# Altium PCB MU_MP_39_V1_ASMB.PcbDoc (part 1 of 15) (continued)
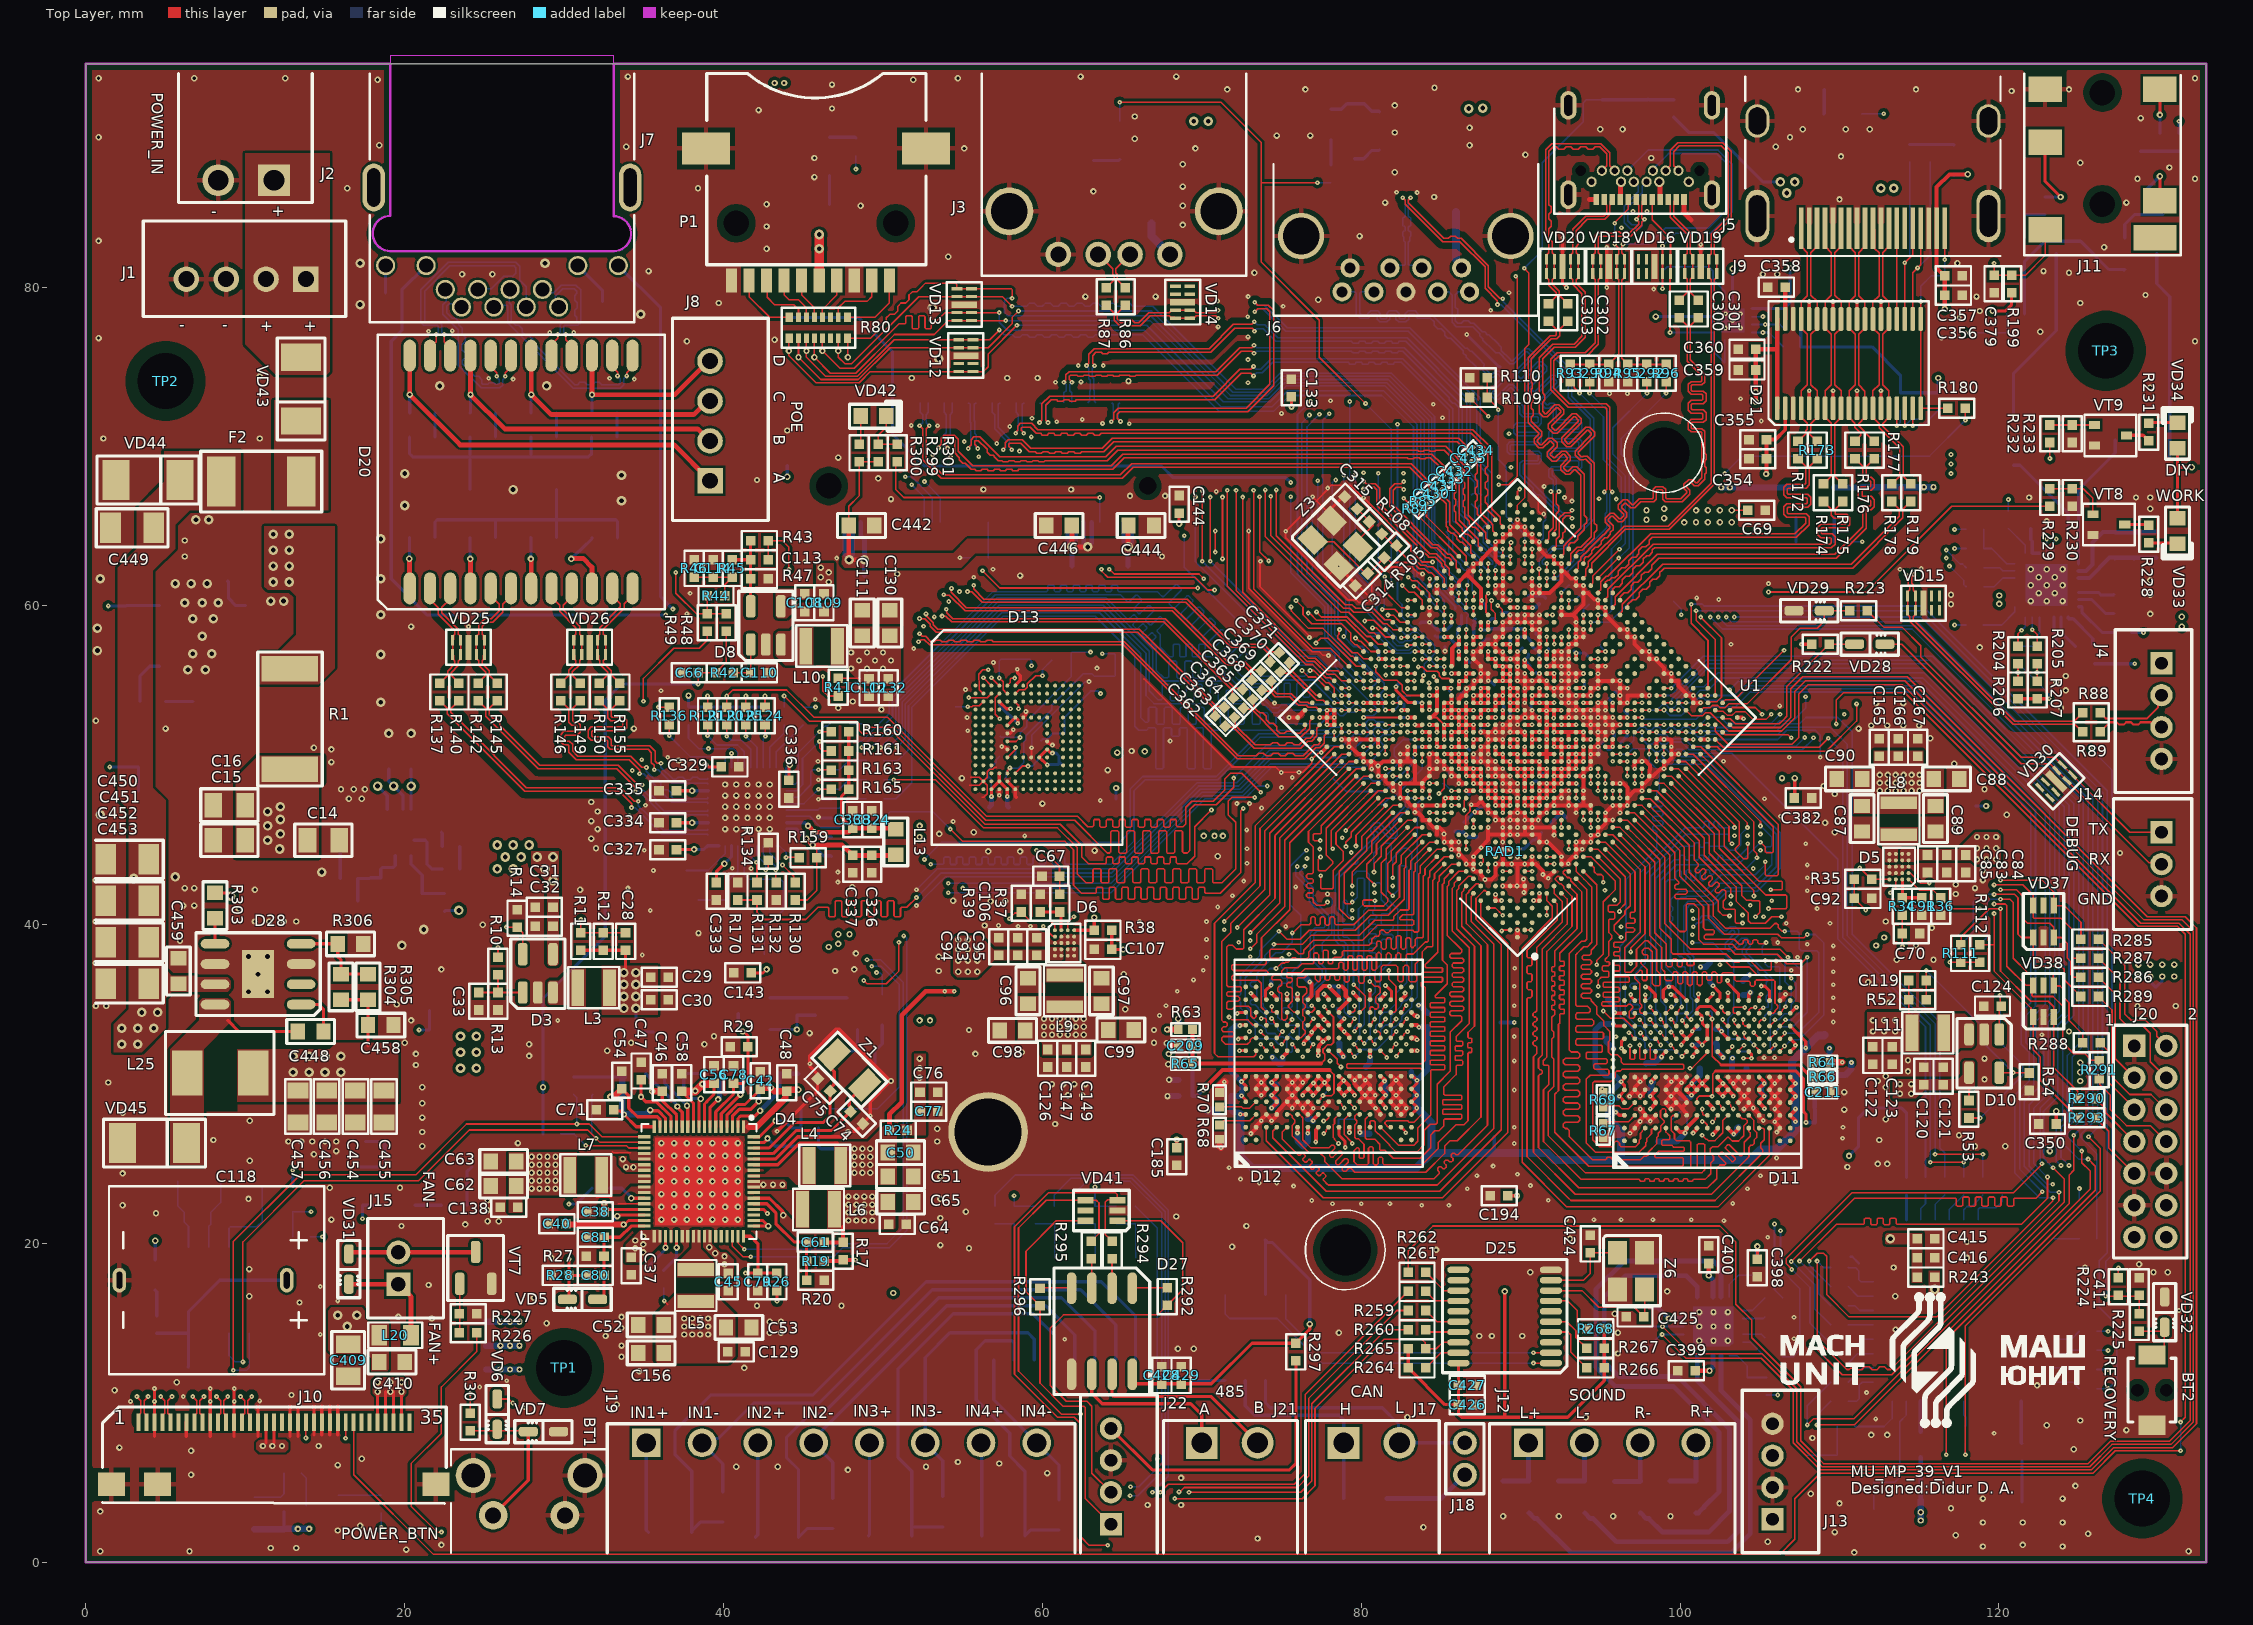
[diagram p0: Top Layer view]
## Design rules (kind name [scope] priority, off if disabled: settings) (continued)
MatchedLengths MatchedLengths_ADDR_PP1_3 [InxSignalClass('ADDR_PP1')] p45: tolerance=1.5 checknetsindiffpair=FALSE checkdiffpairvsdiffpair=TRUE checkxsignals=TRUE checkothers=TRUE
MatchedLengths MatchedLengths_DDR_CLOCKS_STROBES_2 [InxSignalClass('ADDR_PP1') OR InxSignalClass('ADDR_PP2') OR InxSignalClass('DATA_BL0') OR InxSignalClass('DATA_BL1') OR InxSignalClass('DATA_BL2') OR InxSignalClass('DATA_BL3')] p46: tolerance=0.25 checknetsindiffpair=TRUE checkdiffpairvsdiffpair=FALSE checkxsignals=FALSE checkothers=FALSE
MatchedLengths MatchedLengths_DATA_BL3_2 [InxSignalClass('DATA_BL3')] p47: tolerance=0.5 checknetsindiffpair=FALSE checkdiffpairvsdiffpair=TRUE checkxsignals=TRUE checkothers=TRUE
MatchedLengths MatchedLengths_DATA_BL2_2 [InxSignalClass('DATA_BL2')] p48: tolerance=0.5 checknetsindiffpair=FALSE checkdiffpairvsdiffpair=TRUE checkxsignals=TRUE checkothers=TRUE
MatchedLengths MatchedLengths_DATA_BL1_2 [InxSignalClass('DATA_BL1')] p49: tolerance=0.5 checknetsindiffpair=FALSE checkdiffpairvsdiffpair=TRUE checkxsignals=TRUE checkothers=TRUE
MatchedLengths MatchedLengths_DATA_BL0_2 [InxSignalClass('DATA_BL0')] p50: tolerance=0.5 checknetsindiffpair=FALSE checkdiffpairvsdiffpair=TRUE checkxsignals=TRUE checkothers=TRUE
MatchedLengths MatchedLengths_ADDR_PP2_2 [InxSignalClass('ADDR_PP2')] p51: tolerance=1.5 checknetsindiffpair=FALSE checkdiffpairvsdiffpair=TRUE checkxsignals=TRUE checkothers=TRUE
MatchedLengths MatchedLengths_ADDR_PP1_2 [InxSignalClass('ADDR_PP1')] p52: tolerance=1.5 checknetsindiffpair=FALSE checkdiffpairvsdiffpair=TRUE checkxsignals=TRUE checkothers=TRUE
MatchedLengths MatchedLengths_DDR_CLOCKS_STROBES_1 [InxSignalClass('ADDR_PP1_1') OR InxSignalClass('ADDR_PP2_1') OR InxSignalClass('DATA_BL0_1') OR InxSignalClass('DATA_BL1_1') OR InxSignalClass('DATA_BL2_1') OR InxSignalClass('DATA_BL3_1')] p53: tolerance=0 checknetsindiffpair=TRUE checkdiffpairvsdiffpair=FALSE checkxsignals=FALSE checkothers=FALSE
MatchedLengths MatchedLengths_DATA_BL3_1 [InxSignalClass('DATA_BL3_1')] p54: tolerance=0 checknetsindiffpair=FALSE checkdiffpairvsdiffpair=TRUE checkxsignals=TRUE checkothers=TRUE
MatchedLengths MatchedLengths_DATA_BL2_1 [InxSignalClass('DATA_BL2_1')] p55: tolerance=0 checknetsindiffpair=FALSE checkdiffpairvsdiffpair=TRUE checkxsignals=TRUE checkothers=TRUE
MatchedLengths MatchedLengths_DATA_BL1_1 [InxSignalClass('DATA_BL1_1')] p56: tolerance=0 checknetsindiffpair=FALSE checkdiffpairvsdiffpair=TRUE checkxsignals=TRUE checkothers=TRUE
MatchedLengths MatchedLengths_DATA_BL0_1 [InxSignalClass('DATA_BL0_1')] p57: tolerance=0 checknetsindiffpair=FALSE checkdiffpairvsdiffpair=TRUE checkxsignals=TRUE checkothers=TRUE
MatchedLengths MatchedLengths_ADDR_PP2_1 [InxSignalClass('ADDR_PP2_1')] p58: tolerance=0 checknetsindiffpair=FALSE checkdiffpairvsdiffpair=TRUE checkxsignals=TRUE checkothers=TRUE
MatchedLengths MatchedLengths_ADDR_PP1_1 [InxSignalClass('ADDR_PP1_1')] p59: tolerance=0 checknetsindiffpair=FALSE checkdiffpairvsdiffpair=TRUE checkxsignals=TRUE checkothers=TRUE
MatchedLengths MatchedLengths_DDR_CLOCKS_STROBES [InxSignalClass('ADDR_PP1') OR InxSignalClass('ADDR_PP2') OR InxSignalClass('DATA_BL0') OR InxSignalClass('DATA_BL1') OR InxSignalClass('DATA_BL2') OR InxSignalClass('DATA_BL3')] p60: tolerance=0 checknetsindiffpair=TRUE checkdiffpairvsdiffpair=FALSE checkxsignals=FALSE checkothers=FALSE
MatchedLengths MatchedLengths_DATA_BL3 [InxSignalClass('DATA_BL3')] p61: tolerance=0 checknetsindiffpair=FALSE checkdiffpairvsdiffpair=TRUE checkxsignals=TRUE checkothers=TRUE
MatchedLengths MatchedLengths_DATA_BL2 [InxSignalClass('DATA_BL2')] p62: tolerance=0 checknetsindiffpair=FALSE checkdiffpairvsdiffpair=TRUE checkxsignals=TRUE checkothers=TRUE
MatchedLengths MatchedLengths_DATA_BL1 [InxSignalClass('DATA_BL1')] p63: tolerance=0 checknetsindiffpair=FALSE checkdiffpairvsdiffpair=TRUE checkxsignals=TRUE checkothers=TRUE
MatchedLengths MatchedLengths_DATA_BL0 [InxSignalClass('DATA_BL0')] p64: tolerance=0 checknetsindiffpair=FALSE checkdiffpairvsdiffpair=TRUE checkxsignals=TRUE checkothers=TRUE
MatchedLengths MatchedLengths_ADDR_PP2 [InxSignalClass('ADDR_PP2')] p65: tolerance=0 checknetsindiffpair=FALSE checkdiffpairvsdiffpair=TRUE checkxsignals=TRUE checkothers=TRUE
MatchedLengths MatchedLengths_ADDR_PP1 [InxSignalClass('ADDR_PP1')] p66: tolerance=0 checknetsindiffpair=FALSE checkdiffpairvsdiffpair=TRUE checkxsignals=TRUE checkothers=TRUE
MinimumSolderMaskSliver [All] p1: minsoldermaskwidth=0.1
PlaneConnect [All] p1: planeconnectstyle=Direct reliefexpansion=0.508 reliefentries=4 reliefconductorwidth=0.254 reliefairgap=0.254
PolygonConnect PolygonConnect_Relief [InPadClass('Relief_Contact')] p1: connectstyle=Relief reliefconductorwidth=0.3 reliefentries=4 polygonreliefangle="90 Angle" airgapwidth=0.3
PolygonConnect PolygonConnect_VIA [isVia] p2: connectstyle=Direct reliefconductorwidth=0.254 reliefentries=4 polygonreliefangle="90 Angle" airgapwidth=0.254
PolygonConnect [All] p3: connectstyle=Direct reliefconductorwidth=0.15 reliefentries=4 polygonreliefangle="90 Angle" airgapwidth=0.15
RoutingTopology RoutingTopology_DDRAddressAndControls_1 [InNetClass('DDR_AddressAndControls_1')] p1: topology=Daisy_Simple
RoutingTopology RoutingTopology_DDRAddressAndControls [InNetClass('DDR_AddressAndControls')] p2: topology=Daisy_Simple
RoutingTopology [All] p3: topology=Shortest
RoutingVias [All] p1: holewidth=0.1 width=0.3 viastyle="Through Hole" minholewidth=0.1 minwidth=0.25 maxholewidth=1 maxwidth=1.6
SilkToSilkClearance [All] p1: silktosilkclearance=0.1
SilkToSolderMaskClearance SilkToSolderMaskClearance_0402 [InComponentClass('Solder_Clearence')] p1: minsilkscreentomaskgap=0 clearancetoexposedcopper=FALSE
SilkToSolderMaskClearance [IsPad] p2: minsilkscreentomaskgap=0.01 clearancetoexposedcopper=FALSE
SolderMaskExpansion [All] p1: expansion=0.05 istentingtop=FALSE
Width Width_DDR_1 [InNetClass('DDR_NETS')] p1: maxlimit=5 minlimit=0.1 preferedwidth=0.12 toplayer_maxwidth=0.1 toplayer_prefwidth=0.1 midlayer1_minwidth=0.13 midlayer1_maxwidth=0.13 midlayer1_prefwidth=0.13 midlayer2_minwidth=0.13 midlayer2_maxwidth=0.13 midlayer2_prefwidth=0.13 bottomlayer_maxwidth=0.1 bottomlayer_prefwidth=0.1 minimp=50.000000 maximp=50.000000 favimp=50.000000
Width [All] p2: maxlimit=5 minlimit=0.075 preferedwidth=0.075
21 further rules are at their usual default settings.

## Classes and differential pairs
component class Solder_Clearence: C125 C127 C128 C131 C148 C157 C158 C169 C178 C179 C187 C188 C195 C198 C201 C202 C203 C204 C205 C206 C207 C208 C209 C210 C211 C212 C213 C214 C215 C216 C217 C218 C219 C220 C221 C222 C223 C224 C225 C226 C227 C228 C229 C230 C231 C232 C233 C234 C235 C236 C237 C238 C239 C240 C241 C242 C243 C244 C245 C246 C247 C248 C249 C250 C251 C252 C253 C254 C255 C256 C257 C316 C352 C362 C363 C364 C365 C368 C369 C370 C371 C440 L21 L22 R57 R58 R59 R60 R61 R62 R63 R64 R65 R66 R67 R68 R69 R70 R71 R72 R73 R74 R75 R97 R98 R99 R100 R171
pad class Relief_Contact: BT1-2 BT1-3 BT1-4 C118-2 J1-3 J1-4 J2-2 J3-4 J3-S1 J3-S2 J4-4 J5-B1 J5-B12 J5-E1 J5-E2 J5-E3 J5-E4 J6-2 J6-4 J6-10 J6-11 J7- J9-20 J9-21 J9-22 J9-23 J10-41 J10-42 J10-43 J11-5 J13-2 J14-3 J20-1 J20-10 J20-11 J22-3 P1-11 P1-12
differential pair class DiffPair_90_Ohms: EDP_AUX EDP_TX0 EDP_TX1 EDP_TX2 EDP_TX3 EDPTX0 EDPTX1 EDPTX2 EDPTX3 HOST0_D HOST1_D HOST_D1 TYPEC0_D TYPEC0_RX1 TYPEC0_RX2 TYPEC0_TX1 TYPEC0_TX2 TYPEC0TX1 TYPEC0TX2 TYPEC1_D TYPEC1_RX1 TYPEC1_TX1
net class DiffPair_90_Ohms: EDP_AUX_N EDP_AUX_P EDP_TX0_N EDP_TX0_P EDP_TX1_N EDP_TX1_P EDP_TX2_N EDP_TX2_P EDP_TX3_N EDP_TX3_P EDPTX0_N EDPTX0_P EDPTX1_N EDPTX1_P EDPTX2_N EDPTX2_P EDPTX3_N EDPTX3_P HOST0_D_N HOST0_D_P HOST1_D_N HOST1_D_P HOST_D1_N HOST_D1_P TYPEC0_D_N TYPEC0_D_P TYPEC0_RX1_N TYPEC0_RX1_P TYPEC0_RX2_N TYPEC0_RX2_P TYPEC0_TX1_N TYPEC0_TX1_P TYPEC0_TX2_N TYPEC0_TX2_P TYPEC0TX1_N TYPEC0TX1_P TYPEC0TX2_N TYPEC0TX2_P TYPEC1_D_N TYPEC1_D_P TYPEC1_RX1_N TYPEC1_RX1_P TYPEC1_TX1_N TYPEC1_TX1_P
component class "22 PCIE": C430 C431 C432 C433 C434 C435 C436 C437 C438 C439 C440 C441 C442 C443 C444 C445 C446 C447 J23 R298 R299 R300 R301 VD42
component class "02 INPUT_PWR_2": C448 C449 C450 C451 C452 C453 C454 C455 C456 C457 C458 C459 C460 C461 C462 C463 C464 C465 C466 C467 C468 D28 D29 F2 L25 L26 R302 R303 R304 R305 R306 R307 R308 R309 R310 VD43 VD44 VD45
differential pair class DiffPair_1: DA DB DC DD DDR0_CLK0 DDR0_DQS0 DDR0_DQS1 DDR0_DQS2 DDR0_DQS3 DDR1_CLK0 DDR1_DQS0 DDR1_DQS1 DDR1_DQS2 DDR1_DQS3 HDMI_TX0 HDMI_TX1 HDMI_TX2 HDMI_TXC HDMITX0 HDMITX1 HDMITX2 HDMITXC PCIE_REF_CLK PCIE_RX0 PCIE_RX1 PCIE_RX2 PCIE_RX3 PCIE_TX0 PCIE_TX1 PCIE_TX2 PCIE_TX3 PE_CLK PE_T0 PE_T1 PE_T2 PE_T3 TD0 TD1 TD2 TD3 TD_1 TD_2 TD_3 TD_4
net class DiffPair_1: DA_N DA_P DB_N DB_P DC_N DC_P DD_N DD_P DDR0_CLK0_N DDR0_CLK0_P DDR0_DQS0_N DDR0_DQS0_P DDR0_DQS1_N DDR0_DQS1_P DDR0_DQS2_N DDR0_DQS2_P DDR0_DQS3_N DDR0_DQS3_P DDR1_CLK0_N DDR1_CLK0_P DDR1_DQS0_N DDR1_DQS0_P DDR1_DQS1_N DDR1_DQS1_P DDR1_DQS2_N DDR1_DQS2_P DDR1_DQS3_N DDR1_DQS3_P HDMI_TX0_N HDMI_TX0_P HDMI_TX1_N HDMI_TX1_P HDMI_TX2_N HDMI_TX2_P HDMI_TXC_N HDMI_TXC_P HDMITX0_N HDMITX0_P HDMITX1_N HDMITX1_P HDMITX2_N HDMITX2_P HDMITXC_N HDMITXC_P PCIE_REF_CLK_N PCIE_REF_CLK_P PCIE_RX0_N PCIE_RX0_P PCIE_RX1_N PCIE_RX1_P PCIE_RX2_N PCIE_RX2_P PCIE_RX3_N PCIE_RX3_P PCIE_TX0_N PCIE_TX0_P PCIE_TX1_N PCIE_TX1_P PCIE_TX2_N PCIE_TX2_P PCIE_TX3_N PCIE_TX3_P PE_CLK_N PE_CLK_P PE_T0_N PE_T0_P PE_T1_N PE_T1_P PE_T2_N PE_T2_P PE_T3_N PE_T3_P TD0_N TD0_P TD1_N TD1_P TD2_N TD2_P TD3_N TD3_P TD_1_N TD_1_P TD_2_N TD_2_P TD_3_N TD_3_P TD_4_N TD_4_P
component class "21 CAN": C422 C423 C424 C425 C426 C427 C428 C429 D25 D26 D27 J17 J18 J19 J20 J21 J22 R258 R259 R260 R261 R262 R263 R264 R265 R266 R267 R268 R269 R270 R271 R272 R273 R274 R275 R276 R277 R278 R279 R280 R281 R282 R283 R284 R285 R286 R287 R288 R289 R290 R291 R292 R293 R294 R295 R296 R297 U2 VD35 VD36 VD37 VD38 VD39 VD40 VD41 Z6
component class "20 WiFi_BT": C412 C413 C414 C415 C416 C417 C418 C419 C420 C421 D24 J16 L21 L22 L23 L24 R234 R235 R236 R237 R238 R239 R240 R241 R242 R243 R244 R245 R246 R247 R248 R249 R250 R251 R252 R253 R254 R255 R256 R257 Z5
component class "19 RADIATOR": BT2 C409 C410 C411 J14 J15 L20 R222 R223 R224 R225 R226 R227 R228 R229 R230 R231 R232 R233 RAD1 VD28 VD29 VD30 VD31 VD32 VD33 VD34 VT7 VT8 VT9
component class "18 I2S": C376 C377 C378 C379 C380 C381 C382 C383 C384 C385 C386 C387 C388 C389 C390 C391 C392 C393 C394 C395 C396 C397 C398 C399 C400 C401 C402 C403 C404 C405 C406 C407 C408 D22 D23 J11 J12 J13 L14 L15 L16 L17 L18 L19 R195 R196 R197 R198 R199 R200 R201 R202 R203 R204 R205 R206 R207 R208 R209 R210 R211 R212 R213 R214 R215 R216 R217 R218 R219 R220 R221 VT5 VT6
component class "17 EDP": C361 C362 C363 C364 C365 C366 C367 C368 C369 C370 C371 C372 C373 C374 C375 J10 R187 R188 R189 R190 R191 R192 R193 R194 TP9 TP10 VT3 VT4
component class "16 HDMI": C350 C351 C352 C353 C354 C355 C356 C357 C358 C359 C360 D21 J9 R171 R172 R173 R174 R175 R176 R177 R178 R179 R180 R181 R182 R183 R184 R185 R186 VD27
component class "15 ETHERNET": C324 C325 C326 C327 C328 C329 C330 C331 C332 C333 C334 C335 C336 C337 C338 C339 C340 C341 C342 C343 C344 C345 C346 C347 C348 C349 D19 D20 J7 J8 L12 L13 R119 R120 R121 R122 R123 R124 R125 R126 R127 R128 R129 R130 R131 R132 R133 R134 R135 R136 R137 R138 R139 R140 R141 R142 R143 R144 R145 R146 R147 R148 R149 R150 R151 R152 R153 R154 R155 R156 R157 R158 R159 R160 R161 R162 R163 R164 R165 R166 R167 R168 R169 R170 VD25 VD26 Z4
component class "14 CPU_2": C319 C320 C321 C322 C323 R115 R116 R117 R118
component class "13 CPU_1": C309 C310 C311 C312 C313 C314 C315 C316 C317 C318 R104 R105 R106 R107 R108 R109 R110 R111 R112 R113 R114 Z3
component class "12 USB_3": C280 C281 C282 C283 C284 C285 C286 C287 C288 C289 C290 C291 C292 C293 C294 C295 C296 C297 C298 C299 C300 C301 C302 C303 C304 C305 C306 C307 C308 D16 D17 D18 J5 J6 R90 R91 R92 R93 R94 R95 R96 R97 R98 R99 R100 R101 R102 R103 VD16 VD17 VD18 VD19 VD20 VD21 VD22 VD23 VD24
component class "11 USB_2": C273 C274 C275 C276 C277 C278 C279 D15 J3 J4 R83 R84 R85 R86 R87 R88 R89 VD14 VD15
component class "10 SDMMC": C265 C266 C267 C268 C269 C270 C271 C272 D14 P1 R80 R81 R82 VD12 VD13
component class "09 EMMC": C258 C259 C260 C261 C262 C263 C264 D13 R75 R76 R77 R78 R79 TP5 TP6 TP7 TP8
component class "08 RAM": C256 C257 D11 D12 R67 R68 R69 R70 R71 R72 R73 R74
component class "07 RAM_PWR": C201 C202 C203 C204 C205 C206 C207 C208 C209 C210 C211 C212 C213 C214 C215 C216 C217 C218 C219 C220 C221 C222 C223 C224 C225 C226 C227 C228 C229 C230 C231 C232 C233 C234 C235 C236 C237 C238 C239 C240 C241 C242 C243 C244 C245 C246 C247 C248 C249 C250 C251 C252 C253 C254 C255 R59 R60 R61 R62 R63 R64 R65 R66
component class "06 CPU_RAM": C177 C178 C179 C180 C181 C182 C183 C184 C185 C186 C187 C188 C189 C190 C191 C192 C193 C194 C195 C196 C197 C198 C199 C200 R55 R56 R57 R58
component class "05 CPU_PWR": C125 C126 C127 C128 C129 C130 C131 C132 C133 C134 C135 C136 C137 C138 C139 C140 C141 C142 C143 C144 C145 C146 C147 C148 C149 C150 C151 C152 C153 C154 C155 C156 C157 C158 C159 C160 C161 C162 C163 C164 C165 C166 C167 C168 C169 C170 C171 C172 C173 C174 C175 C176 U1
component class "04 POWER": C82 C83 C84 C85 C86 C87 C88 C89 C90 C91 C92 C93 C94 C95 C96 C97 C98 C99 C100 C101 C102 C103 C104 C105 C106 C107 C108 C109 C110 C111 C112 C113 C114 C115 C116 C117 C118 C119 C120 C121 C122 C123 C124 D5 D6 D7 D8 D9 D10 L8 L9 L10 L11 R31 R32 R33 R34 R35 R36 R37 R38 R39 R40 R41 R42 R43 R44 R45 R46 R47 R48 R49 R50 R51 R52 R53 R54 VD8 VD9 VD10 VD11 VT1 VT2 Z2
component class "03 RK808": BT1 C37 C38 C39 C40 C41 C42 C43 C44 C45 C46 C47 C48 C49 C50 C51 C52 C53 C54 C55 C56 C57 C58 C59 C60 C61 C62 C63 C64 C65 C66 C67 C68 C69 C70 C71 C72 C73 C74 C75 C76 C77 C78 C79 C80 C81 D4 L4 L5 L6 L7 R15 R16 R17 R18 R19 R20 R21 R22 R23 R24 R25 R26 R27 R28 R29 R30 VD4 VD5 VD6 VD7 Z1
component class "23 Unused": C34 C35 C36
component class "01 INPUT_PWR": C1 C2 C3 C4 C5 C6 C7 C8 C9 C10 C11 C12 C13 C14 C15 C16 C17 C18 C19 C20 C21 C22 C23 C24 C25 C26 C27 C28 C29 C30 C31 C32 C33 D1 D2 D3 F1 J1 J2 L1 L2 L3 R1 R2 R3 R4 R5 R6 R7 R8 R9 R10 R11 R12 R13 R14 TP1 TP2 TP3 TP4 VD1 VD2 VD3
differential pair TD2: +TD2_P -TD2_N
differential pair TD_4: +TD_4_P -TD_4_N
differential pair TD_3: +TD_3_P -TD_3_N
differential pair TD_2: +TD_2_P -TD_2_N
differential pair TD_1: +TD_1_P -TD_1_N
differential pair PE_T1: +PE_T1_P -PE_T1_N
differential pair PE_T3: +PE_T3_P -PE_T3_N
differential pair PE_T2: +PE_T2_P -PE_T2_N
differential pair PE_T0: +PE_T0_P -PE_T0_N
differential pair PE_CLK: +PE_CLK_P -PE_CLK_N
differential pair TD3: +TD3_P -TD3_N
differential pair TD1: +TD1_P -TD1_N
differential pair TD0: +TD0_P -TD0_N
differential pair PCIE_TX3: +PCIE_TX3_P -PCIE_TX3_N
differential pair PCIE_TX2: +PCIE_TX2_P -PCIE_TX2_N
differential pair PCIE_TX1: +PCIE_TX1_P -PCIE_TX1_N
differential pair PCIE_TX0: +PCIE_TX0_P -PCIE_TX0_N
differential pair PCIE_RX3: +PCIE_RX3_P -PCIE_RX3_N
differential pair PCIE_RX2: +PCIE_RX2_P -PCIE_RX2_N
differential pair PCIE_RX1: +PCIE_RX1_P -PCIE_RX1_N
differential pair PCIE_RX0: +PCIE_RX0_P -PCIE_RX0_N
differential pair PCIE_REF_CLK: +PCIE_REF_CLK_P -PCIE_REF_CLK_N
differential pair DD: +DD_P -DD_N
differential pair DC: +DC_P -DC_N
differential pair DB: +DB_P -DB_N
differential pair DA: +DA_P -DA_N
differential pair HOST_D1: +HOST_D1_P -HOST_D1_N
differential pair HOST_D0: +HOST_D0_P -HOST_D0_N
differential pair TYPEC0TX2: +TYPEC0TX2_P -TYPEC0TX2_N
differential pair TYPEC0TX1: +TYPEC0TX1_P -TYPEC0TX1_N
differential pair TYPEC1_TX1: +TYPEC1_TX1_P -TYPEC1_TX1_N
differential pair TYPEC1_RX1: +TYPEC1_RX1_P -TYPEC1_RX1_N
differential pair TYPEC1_D: +TYPEC1_D_P -TYPEC1_D_N
differential pair TYPEC0_TX2: +TYPEC0_TX2_P -TYPEC0_TX2_N
differential pair TYPEC0_TX1: +TYPEC0_TX1_P -TYPEC0_TX1_N
differential pair TYPEC0_RX2: +TYPEC0_RX2_P -TYPEC0_RX2_N
differential pair TYPEC0_RX1: +TYPEC0_RX1_P -TYPEC0_RX1_N
differential pair TYPEC0_D: +TYPEC0_D_P -TYPEC0_D_N
differential pair HOST0_D: +HOST0_D_P -HOST0_D_N
differential pair HOST1_D: +HOST1_D_P -HOST1_D_N
differential pair EDPTX3: +EDPTX3_P -EDPTX3_N
differential pair EDPTX2: +EDPTX2_P -EDPTX2_N
differential pair EDPTX1: +EDPTX1_P -EDPTX1_N
differential pair EDPTX0: +EDPTX0_P -EDPTX0_N
differential pair EDP_TX3: +EDP_TX3_P -EDP_TX3_N
differential pair EDP_TX2: +EDP_TX2_P -EDP_TX2_N
differential pair EDP_TX1: +EDP_TX1_P -EDP_TX1_N
differential pair EDP_TX0: +EDP_TX0_P -EDP_TX0_N
differential pair EDP_AUX: +EDP_AUX_P -EDP_AUX_N
differential pair HDMITXC: +HDMITXC_P -HDMITXC_N
differential pair HDMITX2: +HDMITX2_P -HDMITX2_N
differential pair HDMITX1: +HDMITX1_P -HDMITX1_N
differential pair HDMITX0: +HDMITX0_P -HDMITX0_N
differential pair HDMI_TXC: +HDMI_TXC_P -HDMI_TXC_N
differential pair HDMI_TX2: +HDMI_TX2_P -HDMI_TX2_N
differential pair HDMI_TX1: +HDMI_TX1_P -HDMI_TX1_N
differential pair HDMI_TX0: +HDMI_TX0_P -HDMI_TX0_N
differential pair DDR1_DQS3: +DDR1_DQS3_P -DDR1_DQS3_N
differential pair DDR1_DQS2: +DDR1_DQS2_P -DDR1_DQS2_N
differential pair DDR1_DQS1: +DDR1_DQS1_P -DDR1_DQS1_N
differential pair DDR1_DQS0: +DDR1_DQS0_P -DDR1_DQS0_N
differential pair DDR0_DQS3: +DDR0_DQS3_P -DDR0_DQS3_N
differential pair DDR0_DQS2: +DDR0_DQS2_P -DDR0_DQS2_N
differential pair DDR0_DQS1: +DDR0_DQS1_P -DDR0_DQS1_N
differential pair DDR0_DQS0: +DDR0_DQS0_P -DDR0_DQS0_N
differential pair DDR1_CLK0: +DDR1_CLK0_P -DDR1_CLK0_N
differential pair DDR0_CLK0: +DDR0_CLK0_P -DDR0_CLK0_N

## Components (designator, comment, footprint, x,y, rotation, side; value= is the part's Value field where it differs from the comment)
BT1 "L-KLS7-TS6606-5.0-180" L-KLS7-TS6606-5.0-180 27.8,4.2 r0 top
BT2 "IT-1185AP" IT-1185AP 129.6,10.8 r90 top
C1 "0.1uF" CAP_SMD_0603 4.2,54 r180 bottom
C2 "10uF" CAP_SMD_1206 15.5,64.25 r180 bottom
C3 "10uF" CAP_SMD_1206 9,63.55 r0 bottom
C4 "10uF" CAP_SMD_1206 15.5,61.85 r180 bottom
C5 "10uF" CAP_SMD_1206 15.5,59.45 r180 bottom
C6 "1uF" CAP_SMD_1206 15.5,57.05 r180 bottom
C7 "22uF" CAP_SMD_0805#1 13.3,49.85 r180 bottom
C8 "22uF" CAP_SMD_0805#1 10.1,44.2 r90 bottom
C9 "10uF" CAP_SMD_0805#1 6.9,44.2 r90 bottom
C10 "1uF" CAP_SMD_0805#1 8.5,44.2 r90 bottom
C11 "0.1uF" CAP_SMD_0603 4.1,46.9 r0 bottom
C12 "0.1uF" CAP_SMD_0603 12,58.25 r270 bottom
C13 "0.22uF" CAP_SMD_0402 22.9,44.9 r0 bottom
C14 "22uF" CAP_SMD_0805#2 14.9,45.3 r180 top
C15 "22uF" CAP_SMD_0805#2 9,45.3 r0 top
C16 "10uF" CAP_SMD_0805#2 9,47.5 r0 top
C17 "1uF" CAP_SMD_0805#2 14.9,46.3 r270 bottom
C18 "0.1uF" CAP_SMD_0603 17,46.1 r270 bottom
C19 "0.1uF" CAP_SMD_0402 19,50.3 r90 bottom
C20 "22uF" CAP_SMD_0603 30,49.1 r180 bottom
C21 "22uF" CAP_SMD_0603 30,47.3 r180 bottom
C22 "22uF" CAP_SMD_0603 30,45.5 r180 bottom
C23 "22uF" CAP_SMD_0603 27.8,41.7 r90 bottom
C24 "0.1uF" CAP_SMD_0402 26.1,41.8 r270 bottom
C25 "0.1uF" CAP_SMD_0402 16.5,41.5 r180 bottom
C26 "1uF" CAP_SMD_0402 21.1,41.4 r270 bottom
C27 "1uF" CAP_SMD_0402 20.4,50.3 r90 bottom
C28 "100pF" CAP_SMD_0402 33.85,38.95 r90 top
C29 "10uF" CAP_SMD_0402 35.975,36.7 r0 top
C30 "0.1uF" CAP_SMD_0402 35.975,35.3 r0 top
C31 "10uF" CAP_SMD_0402 28.75,41.1 r180 top
C32 "0.1uF" CAP_SMD_0402 28.75,39.9 r180 top
C33 "0.1uF" CAP_SMD_0402 24.65,35.2 r270 top
C34 "0.1uF" CAP_SMD_0201 95.725,54.425 r45 bottom
C35 "0.1uF" CAP_SMD_0201 94.255,54.045 r45 bottom
C36 "0.1uF" CAP_SMD_0201 94.169,55.419 r45 bottom
C37 "1uF" CAP_SMD_0402 34.2,18.6 r270 top
C38 "2.2uF" CAP_SMD_0402 31.957,21.995 r180 top
C39 "1uF" CAP_SMD_0402 31.475,21.275 r180 bottom
C40 "2.2uF" CAP_SMD_0402 29.55,21.25 r180 top
C41 "4.7uF" CAP_SMD_0402 42.3,31.2 r90 bottom
C42 "1uF" CAP_SMD_0402 42.307,30.22 r90 top
C43 "2.2uF" CAP_SMD_0402 41.1,31.2 r90 bottom
C44 "2.2uF" CAP_SMD_0402 35.1,31.225 r90 bottom
C45 "10uF" CAP_SMD_0402 40.3,17.6 r90 top
C46 "1uF" CAP_SMD_0402 36.157,30.095 r90 top
C47 "2.2uF" CAP_SMD_0402 34.825,30.825 r90 top
C48 "1uF" CAP_SMD_0402 43.957,30.095 r90 top
C49 "4.7uF" CAP_SMD_0402 43.475,31.2 r90 bottom
C50 "22uF" CAP_SMD_0603 51.1,25.7 r180 top
C51 "22uF" CAP_SMD_0603 51.1,24.2 r180 top
C52 "22uF" CAP_SMD_0603 35.457,14.895 r0 top
C53 "22uF" CAP_SMD_0603 40.957,14.745 r180 top
C54 "1uF" CAP_SMD_0402 33.625,30.25 r90 top
C55 "2.2uF" CAP_SMD_0402 33.65,31.1 r90 bottom
C56 "1uF" CAP_SMD_0402 39.4,30.6 r90 top
C57 "4.7uF" CAP_SMD_0402 39.9,31.2 r90 bottom
C58 "1uF" CAP_SMD_0402 37.375,30.1 r90 top
C59 "2.2uF" CAP_SMD_0402 36.3,31.225 r90 bottom
C60 "10uF" CAP_SMD_0402 32.3,25.05 r180 bottom
C61 "47pF" CAP_SMD_0402 45.757,20.095 r180 top
C62 "22uF" CAP_SMD_0603 26.205,23.599 r0 top
C63 "22uF" CAP_SMD_0603 26.205,25.157 r0 top
C64 "10uF" CAP_SMD_0402 50.9,21.2 r0 top
C65 "22uF" CAP_SMD_0603 51.107,22.595 r180 top
C66 "0.1uF" CAP_SMD_0402 37.85,55.8 r180 top
C67 "0.1uF" CAP_SMD_0402 60.525,43.05 r180 top
C68 "0.1uF" CAP_SMD_0402 129.85,35.525 r270 bottom
C69 "0.1uF" CAP_SMD_0402 104.8,66 r0 top
C70 "0.1uF" CAP_SMD_0402 114.5,39.45 r0 top
C71 "0.1uF" CAP_SMD_0402 32.557,28.395 r0 top
C72 "0.1uF" CAP_SMD_0402 35.05,17.775 r270 bottom
C73 "1uF" CAP_SMD_0402 38.7,31.225 r270 bottom
C74 "12pF" CAP_SMD_0402 48.357,27.895 r135 top
C75 "12pF" CAP_SMD_0402 46.298,29.954 r315 top
C76 "10uF" CAP_SMD_0402 52.875,29.5 r0 top
C77 "0.1uF" CAP_SMD_0402 52.875,28.3 r0 top
C78 "0.1uF" CAP_SMD_0402 40.625,30.6 r270 top
C79 "0.1uF" CAP_SMD_0402 42.15,17.6 r90 top
C80 "4.7uF" CAP_SMD_0402 31.95,18 r180 top
C81 "0.022uF" CAP_SMD_0402 31.957,20.395 r180 top
C82 "0.1uF" CAP_SMD_0402 44.6,34.875 r90 bottom
C83 "10uF" CAP_SMD_0402 116.725,43.825 r270 top
C84 "10uF" CAP_SMD_0402 117.925,43.825 r270 top
C85 "0.1uF" CAP_SMD_0402 115.525,43.825 r270 top
C86 "2.2uF" CAP_SMD_0402 48.95,30.875 r0 bottom
C87 "22uF" CAP_SMD_0603 111.425,46.65 r90 top
C88 "22uF" CAP_SMD_0603 116.725,49.15 r180 top
C89 "22uF" CAP_SMD_0603 116.025,46.65 r90 top
C90 "22uF" CAP_SMD_0603 110.625,49.15 r0 top
C91 "0.1uF" CAP_SMD_0402 115.15,41.15 r270 top
C92 "0.1uF" CAP_SMD_0402 111.475,41.65 r0 top
C93 "10uF" CAP_SMD_0402 57.275,38.625 r90 top
C94 "10uF" CAP_SMD_0402 58.45,38.625 r90 top
C95 "0.1uF" CAP_SMD_0402 59.65,38.625 r90 top
C96 "22uF" CAP_SMD_0603 59.1,35.85 r270 top
C97 "22uF" CAP_SMD_0603 63.7,35.85 r270 top
C98 "22uF" CAP_SMD_0603 58.125,33.375 r0 top
C99 "22uF" CAP_SMD_0603 64.925,33.4 r180 top
C100 "10uF" CAP_SMD_0402 112.65,66.9 r270 bottom
C101 "0.1uF" CAP_SMD_0402 111.45,66.9 r270 bottom
C102 "0.1uF" CAP_SMD_0402 106.725,64.025 r180 bottom
C103 "10uF" CAP_SMD_0402 104.325,66.875 r270 bottom
C104 "0.1uF" CAP_SMD_0402 105.55,66.875 r270 bottom
C105 "0.1uF" CAP_SMD_0201 91.375,60.29 r45 bottom
C106 "0.1uF" CAP_SMD_0402 59.875,41.35 r90 top
C107 "0.1uF" CAP_SMD_0402 63.8,38.45 r180 top
C108 "10uF" CAP_SMD_0402 45.1,60.2 r270 top
C109 "0.1uF" CAP_SMD_0402 46.3,60.2 r270 top
C110 "0.1uF" CAP_SMD_0402 42.25,55.8 r0 top
C111 "22uF" CAP_SMD_0603 48.7,58.925 r270 top
C112 "0.1uF" CAP_SMD_0402 49.125,54.875 r270 top
C113 "47pF" CAP_SMD_0402 42.25,62.9 r180 top
C114 "0.022uF" CAP_SMD_0402 39.35,62.35 r90 top
C115 "12pF" CAP_SMD_0402 5.625,21.95 r180 bottom
C116 "12pF" CAP_SMD_0402 8.375,21.95 r0 bottom
C117 "0.1uF" CAP_SMD_0402 5.875,12.25 r180 bottom
C118 "0.33F" DCS5R5_H 7.35,17.7 r270 top
C119 "100pF" CAP_SMD_0402 114.9,36.5 r0 top
C120 "10uF" CAP_SMD_0402 115.3,30.5 r90 top
C121 "0.1uF" CAP_SMD_0402 116.5,30.5 r90 top
C122 "10uF" CAP_SMD_0402 112.1,31.8 r270 top
C123 "0.1uF" CAP_SMD_0402 113.3,31.8 r270 top
C124 "0.1uF" CAP_SMD_0402 119.6,34.9 r180 top
C125 "10uF" CAP_SMD_0402_SMALL 86.1,56.15 r135 bottom
C126 "10uF" CAP_SMD_0402 60.325,31.625 r270 top
C127 "10uF" CAP_SMD_0402_SMALL 89.063,56.302 r45 bottom
C128 "10uF" CAP_SMD_0402_SMALL 91.482,52.613 r135 bottom
C129 "10uF" CAP_SMD_0402 40.8,13.2 r0 top
C130 "22uF" CAP_SMD_0603 50.425,58.925 r270 top
C131 "10uF" CAP_SMD_0402_SMALL 88.377,56.937 r45 bottom
C132 "1uF" CAP_SMD_0402 50.325,54.875 r270 top
C133 "0.1uF" CAP_SMD_0402 75.625,73.675 r90 top
C134 "0.1uF" CAP_SMD_0201 89.625,55.825 r45 bottom
C135 "0.1uF" CAP_SMD_0201 90.05,54.375 r315 bottom
C136 "0.1uF" CAP_SMD_0201 90.075,53.45 r315 bottom
C137 "1000pF" CAP_SMD_0201 88.9,54.7 r225 bottom
C138 "1uF" CAP_SMD_0402 26.532,22.27 r180 top
C139 "0.1uF" CAP_SMD_0201 85.824,55.304 r135 bottom
C140 "0.1uF" CAP_SMD_0201 87.725,55.175 r45 bottom
C141 "0.1uF" CAP_SMD_0201 87.934,53.891 r315 bottom
C142 "0.1uF" CAP_SMD_0201 88.175,54.825 r45 bottom
C143 "0.1uF" CAP_SMD_0402 41.2,36.975 r180 top
C144 "0.1uF" CAP_SMD_0402 68.575,66.375 r90 top
C145 "1000pF" CAP_SMD_0201 87.108,54.727 r135 bottom
C146 "22uF" CAP_SMD_0603 85.1,53.8 r315 bottom
C147 "1uF" CAP_SMD_0402 61.525,31.625 r270 top
C148 "1uF" CAP_SMD_0402_SMALL 84.075,52.4 r225 bottom
C149 "0.1uF" CAP_SMD_0402 62.725,31.625 r270 top
C150 "0.1uF" CAP_SMD_0402 64.625,47.35 r270 bottom
C151 "0.1uF" CAP_SMD_0201 84.55,51.85 r225 bottom
C152 "0.1uF" CAP_SMD_0201 87.3,52.525 r315 bottom
C153 "0.1uF" CAP_SMD_0201 85.475,51.85 r225 bottom
C154 "0.1uF" CAP_SMD_0201 86.3,54.125 r135 bottom
C155 "1000pF" CAP_SMD_0201 86.375,51.8 r225 bottom
C156 "22uF" CAP_SMD_0603 35.457,13.145 r0 top
C157 "10uF" CAP_SMD_0402_SMALL 88.275,51.325 r135 bottom
C158 "1uF" CAP_SMD_0402_SMALL 89.4,51.825 r135 bottom
C159 "0.1uF" CAP_SMD_0402 117.975,47.45 r180 bottom
C160 "0.1uF" CAP_SMD_0201 90.027,48.853 r225 bottom
C161 "0.1uF" CAP_SMD_0201 91.075,49.925 r45 bottom
C162 "0.1uF" CAP_SMD_0201 90.1,49.875 r45 bottom
C163 "1000pF" CAP_SMD_0201 89.65,50.325 r45 bottom
C164 "22uF" CAP_SMD_0603 92.725,53.875 r225 bottom
C165 "10uF" CAP_SMD_0402 112.5,51.125 r90 top
C166 "1uF" CAP_SMD_0402 113.7,51.125 r90 top
C167 "0.1uF" CAP_SMD_0402 114.9,51.125 r90 top
C168 "0.1uF" CAP_SMD_0402 99.6,60.825 r90 bottom
C169 "1uF" CAP_SMD_0402_SMALL 94.625,52.075 r45 bottom
C170 "0.1uF" CAP_SMD_0201 91.425,55.275 r45 bottom
C171 "0.1uF" CAP_SMD_0201 90.6,51.925 r135 bottom
C172 "0.1uF" CAP_SMD_0201 90.625,54.922 r135 bottom
C173 "0.1uF" CAP_SMD_0201 92.95,52.675 r45 bottom
C174 "0.1uF" CAP_SMD_0201 93.975,52.575 r45 bottom
C175 "0.1uF" CAP_SMD_0201 90.841,53.965 r225 bottom
C176 "1000pF" CAP_SMD_0201 91.9,54.825 r45 bottom
C177 "22uF" CAP_SMD_0603 92.67,50.282 r315 bottom
C178 "10uF" CAP_SMD_0402_SMALL 93.432,51.222 r135 bottom
C179 "1uF" CAP_SMD_0402_SMALL 90.231,46.98 r225 bottom
C180 "0.1uF" CAP_SMD_0201 86.165,49.354 r225 bottom
C181 "0.1uF" CAP_SMD_0201 85.711,49.825 r225 bottom
C182 "0.1uF" CAP_SMD_0201 85.24,50.275 r225 bottom
C183 "0.1uF" CAP_SMD_0201 87.057,50.257 r45 bottom
C184 "0.1uF" CAP_SMD_0201 86.595,50.734 r45 bottom
C185 "0.1uF" CAP_SMD_0402 68.425,25.45 r270 top
C186 "22uF" CAP_SMD_0603 88.5,46.95 r45 bottom
C187 "10uF" CAP_SMD_0402_SMALL 87.85,49.4 r45 bottom
C188 "1uF" CAP_SMD_0402_SMALL 88.7,48.775 r45 bottom
C189 "0.1uF" CAP_SMD_0201 91.65,47.475 r315 bottom
C190 "0.1uF" CAP_SMD_0201 92.1,47.925 r315 bottom
C191 "0.1uF" CAP_SMD_0201 92.571,48.398 r315 bottom
C192 "0.1uF" CAP_SMD_0201 91.222,48.809 r135 bottom
C193 "0.1uF" CAP_SMD_0201 91.705,49.266 r135 bottom
C194 "0.1uF" CAP_SMD_0402 88.65,23 r180 top
C195 "1uF" CAP_SMD_0402_SMALL 87.564,45.177 r315 bottom
C196 "0.1uF" CAP_SMD_0201 87.387,47.539 r135 bottom
C197 "0.1uF" CAP_SMD_0201 86.574,47.971 r225 bottom
C198 "1uF" CAP_SMD_0402_SMALL 90.003,45.177 r135 bottom
C199 "0.1uF" CAP_SMD_0201 93.075,46.5 r315 bottom
C200 "0.1uF" CAP_SMD_0201 93.45,48.65 r225 bottom
C201 "0.1uF" CAP_SMD_0402_small 68.972,33.42 r0 bottom
C202 "0.1uF" CAP_SMD_0402_small 108.9,31.525 r180 bottom
C203 "0.1uF" CAP_SMD_0402_small 68.972,30.271 r180 bottom
C204 "1000pF" CAP_SMD_0402_small 68.972,29.255 r0 bottom
C205 "1000pF" CAP_SMD_0402_small 77.825,29.025 r90 bottom
C206 "0.1uF" CAP_SMD_0402_small 108.9,28.55 r0 bottom
C207 "1000pF" CAP_SMD_0402_small 108.925,27.6 r180 bottom
C208 "1000pF" CAP_SMD_0402_small 102.05,29.6 r270 bottom
C209 "1000pF" CAP_SMD_0402_small 68.972,32.404 r0 top
C210 "1000pF" CAP_SMD_0402_small 77.506,35.122 r270 bottom
C211 "1000pF" CAP_SMD_0402_small 108.975,29.5 r180 top
C212 "1000pF" CAP_SMD_0402_small 101.89,35.046 r270 bottom
C213 "10uF" CAP_SMD_0402_small 97.42,31.287 r180 bottom
C214 "1uF" CAP_SMD_0402_small 102.906,36.367 r90 bottom
C215 "0.1uF" CAP_SMD_0402_small 101.725,30.975 r0 bottom
C216 "0.1uF" CAP_SMD_0402_small 101.23,33.014 r90 bottom